# Altium PCB BearPi_Board_B02_Layout.PcbDoc
Units mm, origin at the board's own origin, x right, y up, seen from the top; angles counter-clockwise.
Board outline 105.56 x 66.58 mm, 2 copper layers (Top Layer, Bottom Layer); 17 components, 94 nets, 255 pads, 0 vias.
Unrouted connection lines stored in the file: 281.
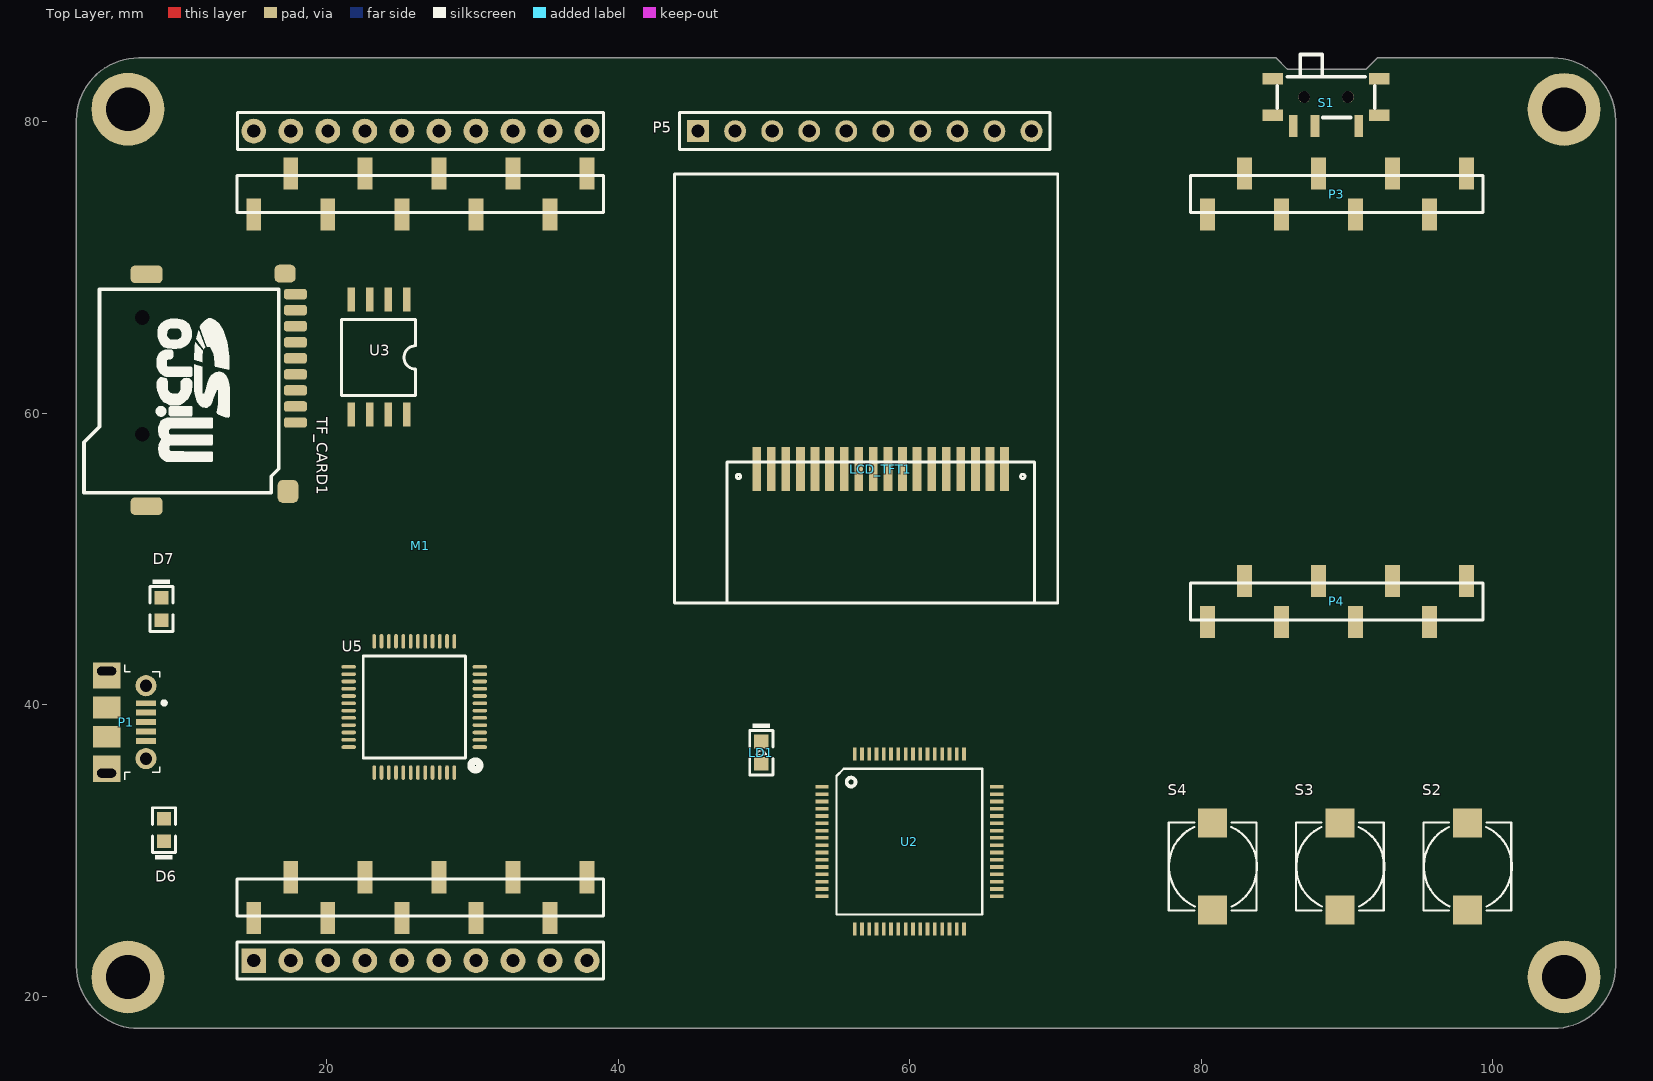
[diagram p0: Top Layer view]
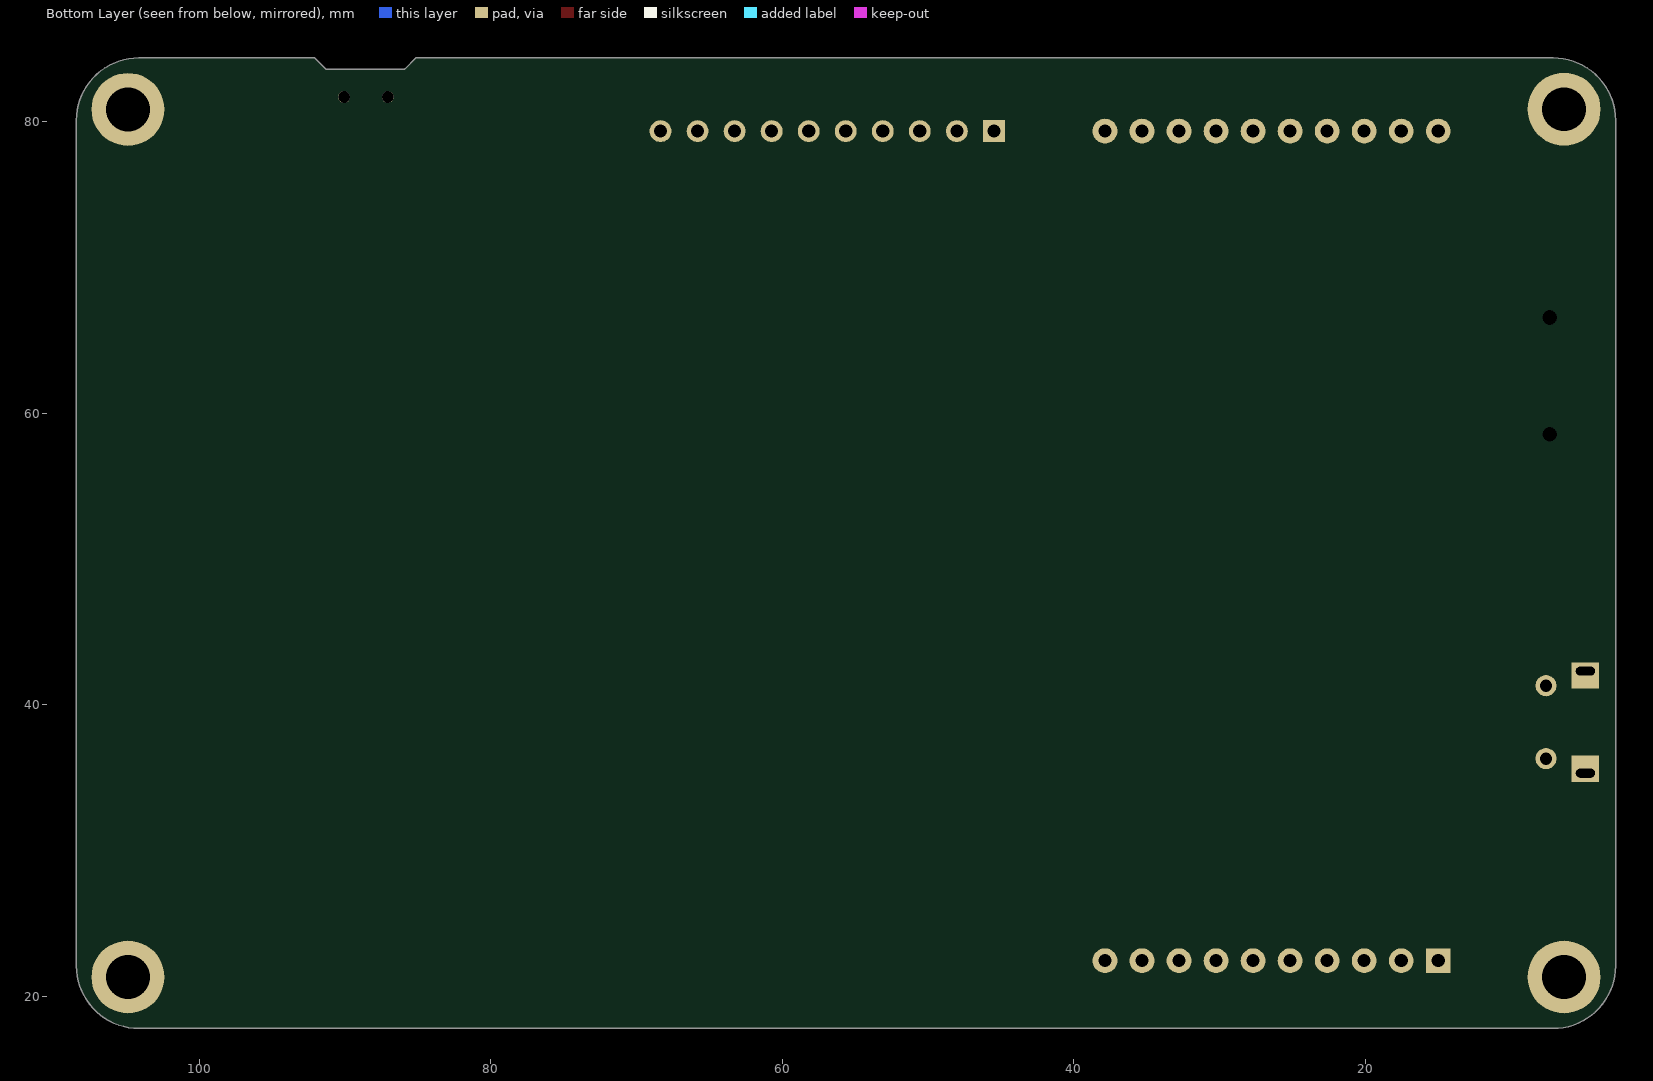
[diagram p1: Bottom Layer view, seen from below]

## Layer stack, top to bottom
Top Solder: solder mask 0.0102, Solder Resist, Dk 3.5
Top Layer: signal copper 0.0356
Dielectric 1: dielectric 0.32, FR-4, Dk 4.8
Bottom Layer: signal copper 0.0356
Bottom Solder: solder mask 0.0102, Solder Resist, Dk 3.5

## Board outline
2.853,22.086 ccw(c7.142,22.086) 7.14,17.797 cw(c7.142,17.721) 7.142,17.797 104.141,17.797 ccw(c104.126,22.086) 108.414,22.084 cw(c108.491,22.086) 108.414,22.086 108.414,80.086 cw(c108.491,80.086) 108.414,80.088 ccw(c104.126,80.086) 104.126,84.374 92.084,84.374 91.318,83.608 cw(c91.264,83.662) 91.264,83.585 85.944,83.585 cw(c85.944,83.662) 85.89,83.608 85.124,84.374 7.142,84.374 ccw(c7.142,80.086) 2.853,80.086 cw(c2.777,80.086) 2.853,80.085

## Design rules (kind name [scope] priority, off if disabled: settings)
Clearance VCC_TO_POLY [InNet('VCC_3.3') or InNet('V5.0') vs InPolygon] p1: gap=0.254 ignorepadtopadclearanceinfootprint=FALSE
Clearance Clearance_2 [InNamedPolygon('Top Layer-GND') vs InNet('NetC29_1')or InNet('NetAnt1_1')] p2: gap=0.17 ignorepadtopadclearanceinfootprint=FALSE
Clearance Clearance_1 [InNet('NetC29_1')or InNet('NetAnt1_1')] p3: gap=0.508 ignorepadtopadclearanceinfootprint=FALSE except(0.254: SMDPad-SMDPad SMDPad-THPad)
Clearance [All] p4: gap=0.152 ignorepadtopadclearanceinfootprint=FALSE
HoleToHoleClearance [All] p1: gap=0.152 allowstackedmicrovias=TRUE
MinimumSolderMaskSliver [All] p1: minsoldermaskwidth=0.025
PolygonConnect [All] p1: thpad.connectstyle=Relief thpad.reliefconductorwidth=0.254 thpad.reliefentries=4 thpad.polygonreliefangle="90 Angle" thpad.airgapwidth=0.254 smdpad.connectstyle=Relief smdpad.reliefconductorwidth=0.381 smdpad.reliefentries=4 smdpad.polygonreliefangle="90 Angle" smdpad.airgapwidth=0.254 via.connectstyle=Direct via.reliefconductorwidth=0.254 via.reliefentries=4 via.polygonreliefangle="90 Angle" via.airgapwidth=0.254
RoutingVias [All] p1: holewidth=0.3 width=0.6 viastyle="Through Hole" minholewidth=0.3 minwidth=0.6 maxholewidth=0.711 maxwidth=1.27
SilkToSilkClearance [All] p1: silktosilkclearance=0
SilkToSolderMaskClearance [IsPad] p1: minsilkscreentomaskgap=0 clearancetoexposedcopper=TRUE
SolderMaskExpansion [All] p1: expansion=0.102
Width [All] p1: maxlimit=2.54 minlimit=0.152 preferedwidth=0.254 minimp=50.000000 maximp=50.000000 favimp=50.000000
Width Width_POWER [(InNet('V5.0') AND InNet('VCC_3.3'))] p2: maxlimit=2.54 minlimit=0.152 preferedwidth=0.762 minimp=50.000000 maximp=50.000000 favimp=50.000000
26 further rules are at their usual default settings.

## Classes and differential pairs
component class "U_Reserve _Interface": P5
component class Internet: P3 P4
component class IOTCLUB: M1
component class AT_Debug_Type: S1
component class ST_LINK_on-board: D6 D7 P1 U5
component class Strage: TF_CARD1 U3
component class Display: LCD_TFT1
component class MCU_MAIN: LD1 S2 S3 S4 U2

## Components (designator, comment, footprint, x,y, rotation, side; value= is the part's Value field where it differs from the comment)
D6 "LED_Red" LC-0603_LED_S2 8.852,31.398 r90 top
D7 "LED_Yellow" LC-0603_LED_S2 8.682,46.573 r270 top
LCD_TFT1 "LCD-TFT-H13TS38A" TFT-H13TS43B 49.509,56.163 r0 top locked
LD1 "LED_Blue" LED_0603_R 49.824,36.707 r270 top
M1 "排母*2+排针*2" EXT_M_BearPi 27.076,51.528 r0 top locked
P1 "Micro 5P母头" USB_Micro 7.62,38.807 r270 top
P3 "Header 8" HDR2.54-TP-8P 89.306,75.026 r180 top
P4 "Header 8" HDR2.54-TP-8P 89.306,47.086 r180 top
P5 "Header 10" HDR1X10 45.491,79.341 r0 top
S1 "SW-SPDT" MSK-12C01-07 88.559,81.679 r180 top
S2 "SW-PB" SMD_6X6X4.3 98.258,28.904 r270 top
S3 "SW-PB" SMD_6X6X4.3 89.51,28.904 r270 top
S4 "SW-PB" SMD_6X6X4.3 80.785,28.904 r270 top
TF_CARD1 "SD-MICRO-TF" SD-CARD-TF 17.869,59.361 r270 top
U2 "STM32L431Rx" LQFP64 60.096,30.128 r0 top locked
U3 "W25Q64" SOP-8-V 19.957,66.274 r270 top locked
U5 "STM32F103C8T6" LQFP48X 26.021,39.847 r180 top

## Footprints (in the part's own frame and the unit in brackets; to place one, negate y for a bottom-side part, rotate by r counter-clockwise, add the part's x,y. Pads: shape width x height; smd on the part's side, far side on the other; paste and mask are expansions set on the pad)
EXT_M_BearPi [mm] "一排公对一排母"
  rect 1.7x1.7 hole 0.9: 1(-12.065,-29.083)
  rect 1.02x2.2 smd: 1(-12.065,-26.162) 2(-9.525,-23.362) 3(-6.985,-26.162) 4(-4.445,-23.362) 5(-1.905,-26.162) 6(0.635,-23.362) 7(3.175,-26.162) 8(5.715,-23.362) 9(8.255,-26.162) 10(10.795,-23.362) 11(10.795,24.898) 12(8.255,22.098) 13(5.715,24.898) 14(3.175,22.098) 15(0.635,24.898) 16(-1.905,22.098) 17(-4.445,24.898) 18(-6.985,22.098) 19(-9.525,24.898) 20(-12.065,22.098)
  round 1.7 hole 0.9: 2(-9.525,-29.083) 3(-6.985,-29.083) 4(-4.445,-29.083) 5(-1.905,-29.083) 6(0.635,-29.083) 7(3.175,-29.083) 8(5.715,-29.083) 9(8.255,-29.083) 10(10.795,-29.083) 11(10.795,27.819) 12(8.255,27.819) 13(5.715,27.819) 14(3.175,27.819) 15(0.635,27.819) 16(-1.905,27.819) 17(-4.445,27.819) 18(-6.985,27.819) 19(-9.525,27.819) 20(-12.065,27.819)
  silkscreen extent -13.21,-30.35 11.94,29.09, body extent -13.58,-30.35 12.32,29.09, height 8.5
HDR1X10 [mm] "Connector; Header; 10 Position"
  rect 1.5x1.5 hole 0.9: 1(0,0)
  round 1.5 hole 0.9: 2(2.54,0) 3(5.08,0) 4(7.62,0) 5(10.16,0) 6(12.7,0) 7(15.24,0) 8(17.78,0) 9(20.32,0) 10(22.86,0)
  silkscreen extent -1.27,-1.27 24.13,1.27, body extent -1.27,-1.27 24.13,1.27, height 11.5
HDR2.54-TP-8P [mm]
  rect 1.02x2.2 smd: 1(-8.89,-1.4) 2(-6.35,1.4) 3(-3.81,-1.4) 4(-1.27,1.4) 5(1.27,-1.4) 6(3.81,1.4) 7(6.35,-1.4) 8(8.89,1.4)
  silkscreen extent -10.03,-1.27 10.03,1.27, body extent -10.49,-2.03 10.28,2.02, height 7.41
LC-0603_LED_S2 [mm]
  rect 0.93x0.98 smd: 1(0.77,0) 2(-0.77,0)
  silkscreen extent -2.01,-0.79 1.54,0.79, body extent -0.8,-0.4 0.8,0.4, height 0.6
LED_0603_R [mm] "LED_0603_RED"
  rect 0.93x0.98 smd: A(0.77,0) K(-0.77,0)
  silkscreen extent -2.01,-0.79 1.54,0.79, body extent -0.8,-0.4 0.8,0.4, height 0.6
LQFP48X [mm]
  oval 1x0.25 smd: 1(-4.5,2.75) 2(-4.5,2.25) 3(-4.5,1.75) 4(-4.5,1.25) 5(-4.5,0.75) 6(-4.5,0.25) 7(-4.5,-0.25) 8(-4.5,-0.75) 9(-4.5,-1.25) 10(-4.5,-1.75) 11(-4.5,-2.25) 12(-4.5,-2.75) 25(4.5,-2.75) 26(4.5,-2.25) 27(4.5,-1.75) 28(4.5,-1.25) 29(4.5,-0.75) 30(4.5,-0.25) 31(4.5,0.25) 32(4.5,0.75) 33(4.5,1.25) 34(4.5,1.75) 35(4.5,2.25) 36(4.5,2.75)
  oval 0.25x1 smd: 13(-2.75,-4.5) 14(-2.25,-4.5) 15(-1.75,-4.5) 16(-1.25,-4.5) 17(-0.75,-4.5) 18(-0.25,-4.5) 19(0.25,-4.5) 20(0.75,-4.5) 21(1.25,-4.5) 22(1.75,-4.5) 23(2.25,-4.5) 24(2.75,-4.5) 37(2.75,4.5) 38(2.25,4.5) 39(1.75,4.5) 40(1.25,4.5) 41(0.75,4.5) 42(0.25,4.5) 43(-0.25,4.5) 44(-0.75,4.5) 45(-1.25,4.5) 46(-1.75,4.5) 47(-2.25,4.5) 48(-2.75,4.5)
  silkscreen extent -4.49,-3.5 3.5,4.31, body extent -4.5,-4.5 4.53,4.53, height 1.6
LQFP64 [mm]
  rect 0.9x0.254 smd: 1(-6.12,4.239) 2(-6.12,3.739) 3(-6.12,3.239) 4(-6.12,2.739) 5(-6.12,2.239) 6(-6.12,1.739) 7(-6.12,1.239) 8(-6.12,0.739) 9(-6.12,0.239) 10(-6.12,-0.261) 11(-6.12,-0.761) 12(-6.12,-1.261) 13(-6.12,-1.761) 14(-6.12,-2.261) 15(-6.12,-2.761) 16(-6.12,-3.261) 33(5.88,-3.261) 34(5.88,-2.761) 35(5.88,-2.261) 36(5.88,-1.761) 37(5.88,-1.261) 38(5.88,-0.761) 39(5.88,-0.261) 40(5.88,0.239) 41(5.88,0.739) 42(5.88,1.239) 43(5.88,1.739) 44(5.88,2.239) 45(5.88,2.739) 46(5.88,3.239) 47(5.88,3.739) 48(5.88,4.239)
  rect 0.254x0.9 smd: 17(-3.87,-5.511) 18(-3.37,-5.511) 19(-2.87,-5.511) 20(-2.37,-5.511) 21(-1.87,-5.511) 22(-1.37,-5.511) 23(-0.87,-5.511) 24(-0.37,-5.511) 25(0.13,-5.511) 26(0.63,-5.511) 27(1.13,-5.511) 28(1.63,-5.511) 29(2.13,-5.511) 30(2.63,-5.511) 31(3.13,-5.511) 32(3.63,-5.511) 49(3.63,6.489) 50(3.13,6.489) 51(2.63,6.489) 52(2.13,6.489) 53(1.63,6.489) 54(1.13,6.489) 55(0.63,6.489) 56(0.13,6.489) 57(-0.37,6.489) 58(-0.87,6.489) 59(-1.37,6.489) 60(-1.87,6.489) 61(-2.37,6.489) 62(-2.87,6.489) 63(-3.37,6.489) 64(-3.87,6.489)
  silkscreen extent -5.12,-4.51 4.88,5.49, body extent -6.07,-5.54 5.92,6.46, height 1.6
MSK-12C01-07 [mm] "6.7*2.8*1.5mm(长宽高）"
  rect 1.4x0.8 smd: 0(-3.65,-1.25) 0(-3.65,1.25) 0(3.65,-1.25) 0(3.65,1.25)
  rect 0.6x1.5 smd: 1(-2.25,1.996) 2(0.75,1.996) 3(2.25,1.996)
  round 0.8 hole 0.8: " "(-1.5,0) " "(1.5,0)
  silkscreen extent -3.35,-2.92 3.35,1.4, body extent -3.92,-2.9 3.92,2.4, height 1.5
SD-CARD-TF [mil]
  rrect50% 48x56 smd: 0(-402,-28)
  rrect50% 48x86 smd: 0(-400,-402) 0(226,-402)
  round 30 hole 39.37 mask+0: 0(-283.47,-413.39) 0(31.5,-413.39)
  rrect50% 62x56 smd: 0(186,-20)
  rrect50% 28x62 smd: 1(0,0) 2(-43.31,0) 3(-86.61,0) 4(-129.92,0) 5(-173.23,0) 6(-216.54,0) 7(-259.84,0) 8(-303.15,0) 9(-346.46,0)
  silkscreen extent -360,-571 190,-45, body extent -407,-572 235,27, height 79
SMD_6X6X4.3 [mil]
  rect 78.4x78.4 smd: 1(-117.5,0) 2(117.5,0)
  silkscreen extent -119,-119 119,120, body extent -150,-113 150,113, height 168
SOP-8-V [mm]
  rect 1.65x0.5 smd: 1(-1.525,5.55) 2(-1.525,4.28) 3(-1.525,3.01) 4(-1.525,1.74) 5(6.375,1.74) 6(6.375,3.01) 7(6.375,4.28) 8(6.375,5.55)
  silkscreen extent -0.15,1.08 5.05,6.16, body extent -1.62,0.91 6.48,6.29, height 1
TFT-H13TS43B [mm]
  rect 0.6x3 smd: 1(0,0) 2(1,0) 3(2,0) 4(3,0) 5(4,0) 6(5,0) 7(6,0) 8(7,0) 9(8,0) 10(9,0) 11(10,0) 12(11,0) 13(12,0) 14(13,0) 15(14,0) 16(15,0) 17(16,0) 18(17,0)
  silkscreen extent -5.65,-9.17 20.65,20.23, body extent -5.68,-9.18 20.68,20.2, height 2.1
USB_Micro [mm] "USB Micro-B Connector"
  rect 0.4x1.35 smd: 1(-1.3,0) 2(-0.65,0) 3(0,0) 4(0.65,0) 5(1.3,0)
  round 1.45 hole 0.85: 6(-2.5,0) 11(2.5,0)
  rect 1.8x1.9 hole 0.6 slot 1.3 at 90 deg copper offset 0.3,0: 7(-3.5,-2.7)
  rect 1.5x1.9 smd: 8(-1,-2.7) 9(1,-2.7)
  rect 1.8x1.9 hole 0.6 slot 1.3 at 90 deg copper offset -0.3,0: 10(3.5,-2.7)
  silkscreen extent -3.95,-1.46 3.95,1.37, body extent -4.1,-5.21 4.1,0.19, height 2.58

## Part data
D6: library part LED1, "Typical RED GaAs LED", LatestRevisionDate=08-Jul-2005, LatestRevisionNote="Mech Layer 1 removed.", PackageDescription="LED; 2 Leads", PackageReference=LED-1, Published=8-Jun-2000, Publisher="Altium Limited"
D7: library part LED1, "YELLOW", LatestRevisionDate=08-Jul-2005, LatestRevisionNote="Mech Layer 1 removed.", PackageDescription="LED; 2 Leads", PackageReference=LED-1, Published=8-Jun-2000, Publisher="Altium Limited"
LCD_TFT1: "LCD,TFT,1.3'240*240"
LD1: library part LED, "Blue"
M1: library part E53
P1: library part USB_Micro
P3 P4: "Header, 8-Pin", LatestRevisionDate=17-Jul-2002, LatestRevisionNote="Re-released for DXP Platform.", Publisher="Altium Limited"
P5: "Header, 10-Pin", LatestRevisionDate=17-Jul-2002, LatestRevisionNote="Re-released for DXP Platform.", Publisher="Altium Limited"
S1: "SPDT Subminiature Toggle Switch, Right Angle Mounting, Vertical Actuation", ComponentLink1Description="Manufacturer Link", ComponentLink1URL=http://www.apem.com, DatasheetVersion=05-Dec-2000, LatestRevisionDate=17-Dec-2003, LatestRevisionNote="Schematic revised, PCB Footprint replaced.", PackageDescription="Switch; 4 Leads", PackageReference=TL36WW15050, Published=24-Mar-1999, Publisher="Altium Limited"
S2 S3 S4: "Switch", LatestRevisionDate=17-Jul-2002, LatestRevisionNote="Re-released for DXP Platform.", PackageDescription="Switch; 2 Leads", PackageReference=SPST-2, Published=24-Mar-1999, Publisher="Altium Limited"
TF_CARD1: "SD,MICRO,TF"
U2: library part STM32L433Rx, "超低功耗高性能ARM Cortex-M4 32-bit MCU+FPU 80MHz 100DMIPS"
U3: library part SPI_NAND_FLASH

## Free pads (board coordinates)
  round 5 hole 3: 5(6.38,21.324) 5(6.38,80.848) 5(104.888,21.324) 5(104.888,80.832)

## Nets (pads, with @x,y where several pads share a name; then routed paths per layer and width w, separated by ;. In a path a pad name is that pad's centre, name@x,y a point inside that pad or via, vN(x,y) a via of type N, cw(c..) or ccw(c..) an arc to the next point about the centre after c; other vN are vias at no path point)
AIN_1: U5.10
GND: D6.2 LCD_TFT1.1 LCD_TFT1.4 LCD_TFT1.11 LCD_TFT1.12 LCD_TFT1.17 LCD_TFT1.18 LD1.K M1.3 M1.12 M1.14 P1.5 P1.6 P1.7 P1.8 P1.9 P1.10 P1.11 P3.6 P4.2 P4.4 P5.2 P5.4 S2.2 S3.2 S4.2 TF_CARD1.6 U2.12 U2.18 U2.31 U2.47 U2.63 U3.4 U5.8 U5.20 U5.23 U5.35 U5.47
KEY1: U2.28
KEY2: U2.55
LCD_IM0: LCD_TFT1.13
LCD_IM1: LCD_TFT1.15
LCD_POWER: U2.36
LCD_RESET: LCD_TFT1.5 U2.38
LCD_SPI_CLK: LCD_TFT1.8 U2.34
LCD_SPI_MOSI: LCD_TFT1.7 U2.11
LCD_WR_RS: LCD_TFT1.6 U2.37
NetC5_2: U2.3
NetC6_2: U2.4
NetC8_2: U2.5
NetC9_2: U2.6
NetC14_1: S2.1
NetC15_1: S3.1
NetC16_1: S4.1
NetC27_2: U5.6
NetC28_2: U5.5
NetD1_2: LCD_TFT1.10
NetD6_1: D6.1
NetD7_2: D7.2
NetL1_1: 
NetLCD_TFT1_2: LCD_TFT1.2
NetLD1_A: LD1.A
NetM1_1: M1.1 U2.15
NetM1_2: M1.2 U2.20
NetM1_4: M1.4 U2.14
NetM1_5: M1.5 U2.10
NetM1_6: M1.6 U2.21
NetM1_7: M1.7 U2.62
NetM1_8: M1.8 U2.61
NetM1_9: M1.9 U2.58
NetM1_10: M1.10 U2.59
NetM1_15: M1.15 U2.22
NetM1_16: M1.16 U2.45
NetM1_17: M1.17 U2.40
NetM1_18: M1.18 U2.24
NetM1_19: M1.19 U2.25
NetM1_20: M1.20 U2.41
NetP3_1: P3.1 U2.35
NetP3_2: P3.2 U2.50
NetP3_3: P3.3 U2.52
NetP3_4: P3.4 U2.51
NetP3_5: P3.5 U2.57
NetP4_5: P4.5
NetP4_6: P4.6
NetP5_5: P5.5 U2.16
NetP5_6: P5.6 U2.17
NetP5_7: P5.7 U2.23
NetP5_8: P5.8 U2.56
NetP5_9: P5.9 U2.33
NetP5_10: P5.10 U2.44
NetQ1_1: 
NetQ2_1: 
NetQ2_2: 
NetR1_2: S1.2
NetR7_1: U2.60
NetR12_2: TF_CARD1.5 U2.53
NetR12_3: TF_CARD1.3 U2.54
NetR12_4: TF_CARD1.7 U2.39
NetR13_2: 
NetR20_2: U5.2
NetR21_2: U5.3
NetR22_2: U5.44
NetR24_2: U5.39
NetU1_1: U2.8
NetU1_3: 
NetU1_5: U2.9
NetU1_9: U2.43
NetU1_11: 
NetU1_13: U2.42
NetU2_26: U2.26 U3.2
NetU2_27: U2.27 U3.5
NetU2_29: U2.29 U3.6
NetU2_30: U2.30 U3.1
NRST: P4.8 U2.7
PC13: U2.2
STLK_LED: U5.30
STLK_RX: U5.13
STLK_TX: U5.12
STM_JTCK: U5.37
STM_JTMS: U5.34
STM_RST: U5.7
T_JTCK: U2.49 U5.15 U5.26
T_JTMS: U2.46 U5.27
T_NRST: U5.18
T_SWDIO_IN: U5.25
USB_D+: P1.3 U5.33
USB_D-: P1.2 U5.32
USB_RENUMn: U5.38
V5.0: M1.11 P1.1 P4.1 P5.1
VCC_3.3: D7.1 LCD_TFT1.3 LCD_TFT1.9 M1.13 P4.3 P5.3 S1.3 TF_CARD1.4 U2.1 U2.13 U2.19 U2.32 U2.48 U2.64 U3.3 U3.7 U3.8 U5.1 U5.9 U5.24 U5.36 U5.48
pads on no net: "S1. " LCD_TFT1.14 LCD_TFT1.16 P1.4 P3.7 P3.8 P4.7 S1.0 S1.1 TF_CARD1.0 TF_CARD1.1 TF_CARD1.2 TF_CARD1.8 TF_CARD1.9 U5.4 U5.11 U5.14 U5.16 U5.17 U5.19 U5.21 U5.22 U5.28 U5.29 U5.31 U5.40 U5.41 U5.42 U5.43 U5.45 U5.46

## Other copper
Top Layer:
  pour cut-out: 87.459,76.257 87.459,73.743 88.614,73.743 88.614,76.218
  pour cut-out: 97.619,76.257 97.619,73.743 98.774,73.743 98.774,76.218
  pour cut-out: 96.234,73.795 96.234,76.309 95.079,76.309 95.079,73.834
  pour cut-out: 92.539,76.13 92.539,73.616 93.694,73.616 93.694,76.091
  pour cut-out: 91.154,73.795 91.154,76.309 89.999,76.309 89.999,73.834
  pour cut-out: 80.96,45.889 80.96,48.403 79.805,48.403 79.805,45.928
  pour cut-out: 86.074,45.855 86.074,48.369 84.919,48.369 84.919,45.894
  pour cut-out: 87.459,48.317 87.459,45.802 88.614,45.802 88.614,48.278

## Silkscreen, mask and mechanical layers (free items; w line width, h text height)
Mechanical 1:
  lines w0.152: 104.126,17.721 ccw(c104.126,22.086) 108.491,22.086 108.491,80.086 ccw(c104.126,80.086) 104.126,84.451 ; 104.14,17.721 7.142,17.721 cw(c7.142,22.086) 2.777,22.086 2.777,80.086 cw(c7.142,80.086) 7.142,84.451 85.156,84.451 85.944,83.662 91.264,83.662 92.052,84.451 ; 104.14,84.451 92.052,84.451 ; 92.052,84.451 92.052,84.451